# Altium PCB AD-FMComms3_revA.PcbDoc (part 2 of 6) (continued)
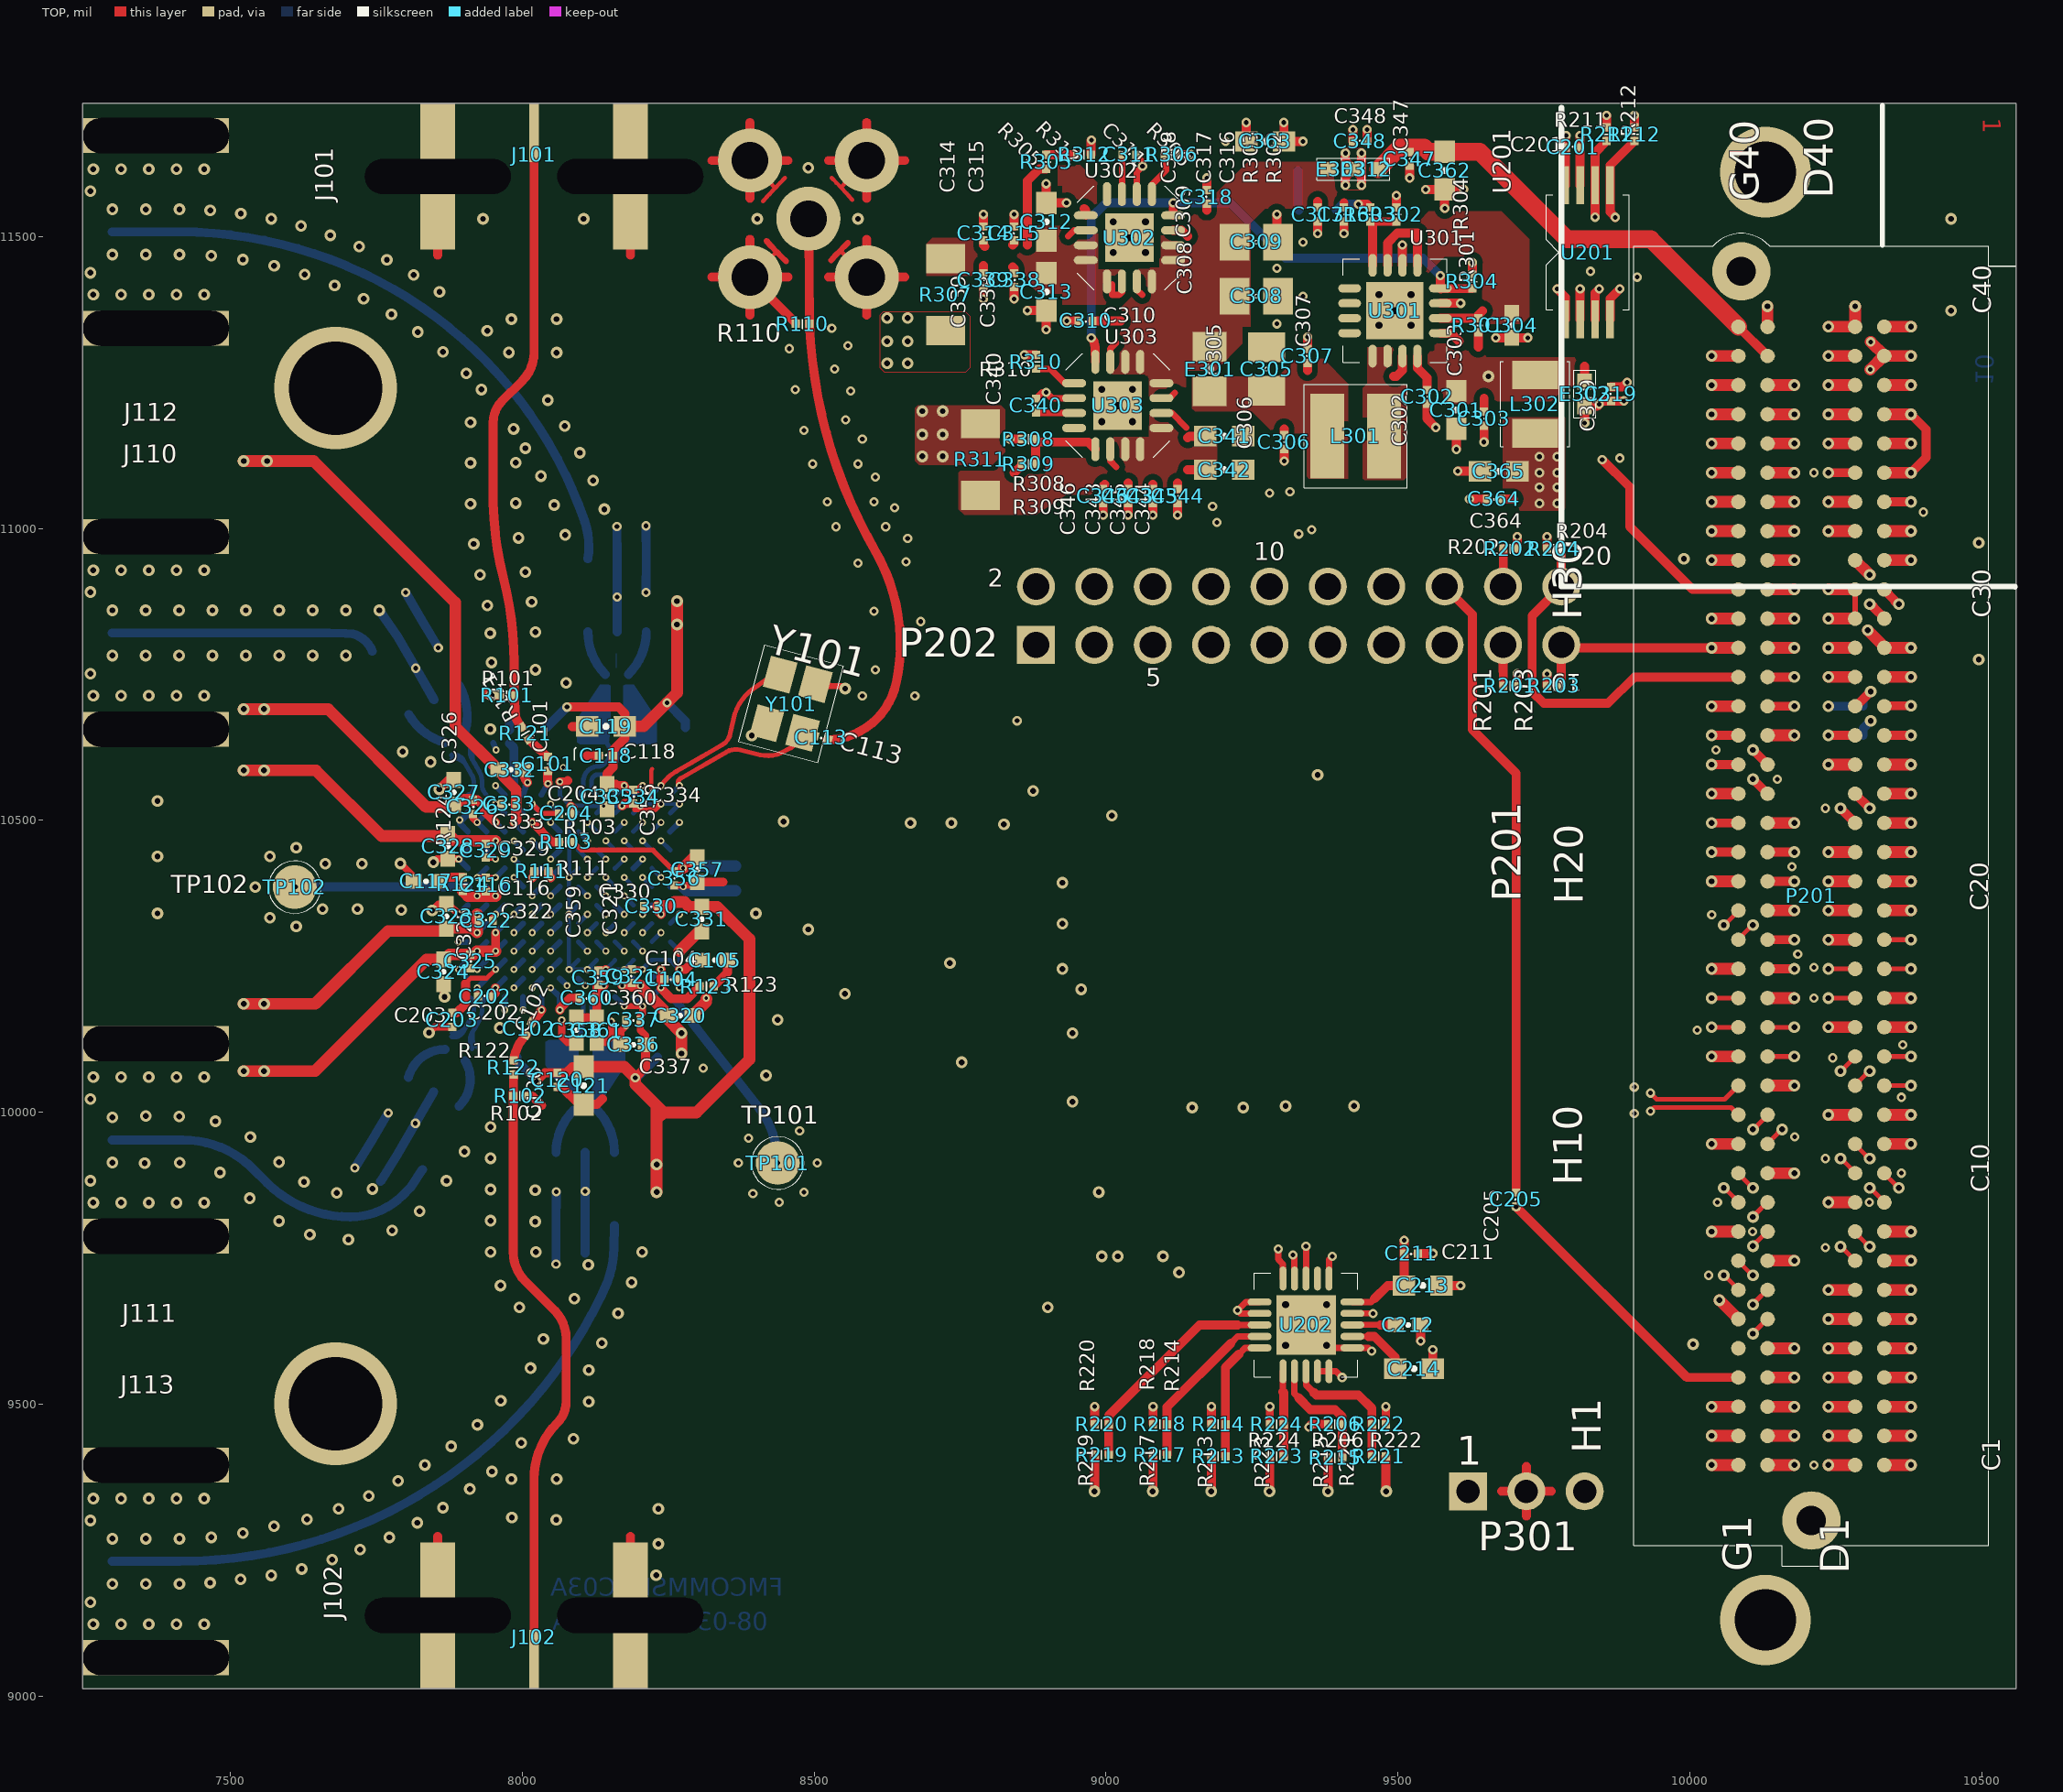
[diagram p0: TOP view]
## Nets (pads, with @x,y where several pads share a name; then routed paths per layer and width w, separated by ;. In a path a pad name is that pad's centre, name@x,y a point inside that pad or via, vN(x,y) a via of type N, cw(c..) or ccw(c..) an arc to the next point about the centre after c; other vN are vias at no path point) (continued)
  L2_GND w5: 7814.98,9273.02 J102.4@7855,9138 7895.02,9273.02 ; 7814.98,11467.98 J101.2@7855,11603 7895.02,11467.98 ; 8144.98,9273.02 J102.2@8185,9138 8225.02,9273.02 ; 8144.98,11467.98 J101.4@8185,11603 8225.02,11467.98 ; 8342.02,11382.52 J105.4@8390,11430.5 ; 8342.02,11478.48 J105.4@8390,11430.5 ; 8342.02,11582.52 J105.3@8390,11630.5 ; 8342.02,11678.48 J105.3@8390,11630.5 ; 8437.98,11382.52 J105.4@8390,11430.5 ; 8437.98,11678.48 J105.3@8390,11630.5 ; 8542.02,11382.52 8590,11430.5 ; 8542.02,11678.48 J105.2@8590,11630.5 ; 8637.98,11382.52 8590,11430.5 ; 8637.98,11478.48 8590,11430.5 ; 8637.98,11582.52 J105.2@8590,11630.5 ; 8637.98,11678.48 J105.2@8590,11630.5 ; 9687.93,9318.43 P301.2@9720,9350.5 ; 9687.93,9382.57 P301.2@9720,9350.5 ; 9752.07,9318.43 P301.2@9720,9350.5 ; 9752.07,9382.57 P301.2@9720,9350.5
  L4_GND w4.9: 7814.98,9273.02 J102.4@7855,9138 7895.02,9273.02 ; 7814.98,11467.98 J101.2@7855,11603 7895.02,11467.98 ; 8144.98,9273.02 J102.2@8185,9138 8225.02,9273.02 ; 8144.98,11467.98 J101.4@8185,11603 8225.02,11467.98 ; 8342.02,11382.52 J105.4@8390,11430.5 ; 8342.02,11478.48 J105.4@8390,11430.5 ; 8342.02,11582.52 J105.3@8390,11630.5 ; 8342.02,11678.48 J105.3@8390,11630.5 ; 8437.98,11382.52 J105.4@8390,11430.5 ; 8437.98,11678.48 J105.3@8390,11630.5 ; 8542.02,11382.52 8590,11430.5 ; 8542.02,11678.48 J105.2@8590,11630.5 ; 8637.98,11382.52 8590,11430.5 ; 8637.98,11478.48 8590,11430.5 ; 8637.98,11582.52 J105.2@8590,11630.5 ; 8637.98,11678.48 J105.2@8590,11630.5 ; 9687.93,9318.43 P301.2@9720,9350.5 ; 9687.93,9382.57 P301.2@9720,9350.5 ; 9752.07,9318.43 P301.2@9720,9350.5 ; 9752.07,9382.57 P301.2@9720,9350.5
  L5_SIG w4.9: 7814.98,9138 J102.4@7855,9138 ; 7814.98,11603 J101.2@7855,11603 ; 7855,9273.02 J102.4@7855,9138 ; 7855,11467.98 J101.2@7855,11603 ; 7895.02,9138 J102.4@7855,9138 ; 7895.02,11603 J101.2@7855,11603 ; 8144.98,9138 J102.2@8185,9138 ; 8144.98,11603 J101.4@8185,11603 ; 8185,9273.02 J102.2@8185,9138 ; 8185,11467.98 J101.4@8185,11603 ; 8225.02,9138 J102.2@8185,9138 ; 8225.02,11603 J101.4@8185,11603 ; 8324.98,11430.5 J105.4@8390,11430.5 ; 8324.98,11630.5 J105.3@8390,11630.5 ; 8390,11365.48 J105.4@8390,11430.5 ; 8390,11495.52 J105.4@8390,11430.5 ; 8390,11565.48 J105.3@8390,11630.5 ; 8390,11695.52 J105.3@8390,11630.5 ; 8455.02,11430.5 J105.4@8390,11430.5 ; 8455.02,11630.5 J105.3@8390,11630.5 ; 8524.98,11430.5 8590,11430.5 ; 8524.98,11630.5 J105.2@8590,11630.5 ; 8590,11365.48 8590,11430.5 ; 8590,11495.52 8590,11430.5 ; 8590,11565.48 J105.2@8590,11630.5 ; 8590,11695.52 J105.2@8590,11630.5 ; 8655.02,11430.5 8590,11430.5 ; 8655.02,11630.5 J105.2@8590,11630.5 ; 9677.48,9350.5 P301.2@9720,9350.5 ; 9720,9307.98 P301.2@9720,9350.5 ; 9720,9393.02 P301.2@9720,9350.5 ; 9762.52,9350.5 P301.2@9720,9350.5
  L6_SIG w4.9: 7814.98,9138 J102.4@7855,9138 ; 7814.98,11603 J101.2@7855,11603 ; 7855,9273.02 J102.4@7855,9138 ; 7855,11467.98 J101.2@7855,11603 ; 7895.02,9138 J102.4@7855,9138 ; 7895.02,11603 J101.2@7855,11603 ; 8144.98,9138 J102.2@8185,9138 ; 8144.98,11603 J101.4@8185,11603 ; 8185,9273.02 J102.2@8185,9138 ; 8185,11467.98 J101.4@8185,11603 ; 8225.02,9138 J102.2@8185,9138 ; 8225.02,11603 J101.4@8185,11603 ; 8324.98,11430.5 J105.4@8390,11430.5 ; 8324.98,11630.5 J105.3@8390,11630.5 ; 8390,11365.48 J105.4@8390,11430.5 ; 8390,11495.52 J105.4@8390,11430.5 ; 8390,11565.48 J105.3@8390,11630.5 ; 8390,11695.52 J105.3@8390,11630.5 ; 8455.02,11430.5 J105.4@8390,11430.5 ; 8455.02,11630.5 J105.3@8390,11630.5 ; 8524.98,11430.5 8590,11430.5 ; 8524.98,11630.5 J105.2@8590,11630.5 ; 8590,11365.48 8590,11430.5 ; 8590,11495.52 8590,11430.5 ; 8590,11565.48 J105.2@8590,11630.5 ; 8590,11695.52 J105.2@8590,11630.5 ; 8655.02,11430.5 8590,11430.5 ; 8655.02,11630.5 J105.2@8590,11630.5 ; 9677.48,9350.5 P301.2@9720,9350.5 ; 9720,9307.98 P301.2@9720,9350.5 ; 9720,9393.02 P301.2@9720,9350.5 ; 9762.52,9350.5 P301.2@9720,9350.5
  L7_GND w4: 7814.98,9273.02 J102.4@7855,9138 7895.02,9273.02 ; 7814.98,11467.98 J101.2@7855,11603 7895.02,11467.98 ; 8144.98,9273.02 J102.2@8185,9138 8225.02,9273.02 ; 8144.98,11467.98 J101.4@8185,11603 8225.02,11467.98 ; 8342.02,11382.52 J105.4@8390,11430.5 ; 8342.02,11478.48 J105.4@8390,11430.5 ; 8342.02,11582.52 J105.3@8390,11630.5 ; 8342.02,11678.48 J105.3@8390,11630.5 ; 8437.98,11382.52 J105.4@8390,11430.5 ; 8437.98,11678.48 J105.3@8390,11630.5 ; 8542.02,11382.52 8590,11430.5 ; 8542.02,11678.48 J105.2@8590,11630.5 ; 8637.98,11382.52 8590,11430.5 ; 8637.98,11478.48 8590,11430.5 ; 8637.98,11582.52 J105.2@8590,11630.5 ; 8637.98,11678.48 J105.2@8590,11630.5 ; 9687.93,9318.43 P301.2@9720,9350.5 ; 9687.93,9382.57 P301.2@9720,9350.5 ; 9752.07,9318.43 P301.2@9720,9350.5 ; 9752.07,9382.57 P301.2@9720,9350.5
  L8_PWR w4: 9687.93,9318.43 P301.2@9720,9350.5 9687.93,9382.57
  L9_GND w5: 7814.98,9273.02 J102.4@7855,9138 7895.02,9273.02 ; 7814.98,11467.98 J101.2@7855,11603 7895.02,11467.98 ; 8144.98,9273.02 J102.2@8185,9138 8225.02,9273.02 ; 8144.98,11467.98 J101.4@8185,11603 8225.02,11467.98 ; 8342.02,11382.52 J105.4@8390,11430.5 ; 8342.02,11478.48 J105.4@8390,11430.5 ; 8342.02,11582.52 J105.3@8390,11630.5 ; 8342.02,11678.48 J105.3@8390,11630.5 ; 8437.98,11382.52 J105.4@8390,11430.5 ; 8437.98,11678.48 J105.3@8390,11630.5 ; 8542.02,11382.52 8590,11430.5 ; 8542.02,11678.48 J105.2@8590,11630.5 ; 8637.98,11382.52 8590,11430.5 ; 8637.98,11478.48 8590,11430.5 ; 8637.98,11582.52 J105.2@8590,11630.5 ; 8637.98,11678.48 J105.2@8590,11630.5 ; 9687.93,9318.43 P301.2@9720,9350.5 ; 9687.93,9382.57 P301.2@9720,9350.5 ; 9752.07,9318.43 P301.2@9720,9350.5 ; 9752.07,9382.57 P301.2@9720,9350.5
  BOTTOM w7: SSSS.M6@8064.25,10543.73 8064.25,10542.25 v3@8081.5,10525 ; v3(8268.98,10213.02) v3(8268.98,10244.52) ; v3(8268.98,10276.01) v3(8268.98,10244.52) ; v3(8268.98,10527.98) v3(8237.48,10527.98) 8205.73,10527.98 v3(8202.25,10524.5) v3(8170.75,10524.5) v3(8139.25,10524.5) 8108.26,10524.5 8107.76,10525 v3@8081.5,10525 ; v3@8081.5,10525 8080.25,10523.75 8080.25,10401.25 8080.75,10400.75 8079.5,10399.5 8079.5,10392.93 8079.75,10392.68 8079.75,10251.75 8086.98,10244.52 8204.52,10244.52 8220.75,10260.75 8252.75,10260.75 v3(8268.98,10244.52)
  BOTTOM w8: SSSS.M6@8064.25,10543.73 ccw(c-17859.4,10549.61) 8064.25,10555.5 ccw(c-17859.39,10537.43) v3@8064.24,10566.5 ; v3(8080.01,10244.51) SSSS.C7@8095.75,10260.26 ; v3(8080,10339) SSSS.F7@8095.75,10354.75 ; v3(8080,10401.99) SSSS.H7@8095.75,10417.74 ; v3(8082.98,10524.24) 8094.99,10512.23 SSSS.L7@8095.75,10512.23 ; v3(8111.5,10244.51) SSSS.C8@8127.24,10260.26 ; SSSS.L8@8127.24,10512.23 8127.24,10512.49 v3(8139.25,10524.5) ; v3(8143,10244.51) SSSS.C9@8158.74,10260.26 ; v3(8174.5,10244.51) SSSS.C10@8190.24,10260.26 ; SSSS.L10@8190.24,10512.23 8190.24,10512.49 v3(8202.25,10524.5) ; v3(8205.99,10244.51) SSSS.C11@8221.73,10260.26
  BOTTOM w10: v3(7890,10291.76) SSSS.D1@7906.77,10291.76 ; v3(7891.02,10339) SSSS.E1@7906.77,10323.26 ; SSSS.B1@7906.77,10228.77 v3(7891.02,10244.52) SSSS.C1@7906.77,10260.26 ; SSSS.H1@7906.77,10417.75 v3(7891.02,10433.49) SSSS.J1@7906.77,10449.24 ; v3(7922.52,10244.52) SSSS.C2@7938.27,10260.26 ; v3(7922.52,10402) SSSS.H2@7938.27,10417.74 ; SSSS.J2@7938.27,10449.24 v3(7954.01,10433.49) ; SSSS.K2@7938.27,10480.74 v3(7922.54,10496.48) SSSS.L2@7938.27,10512.23 ; 7950,10633 v3(7955,10620.5) ; v3(7954.01,10401.99) SSSS.H3@7969.76,10417.74 ; v3(7954.02,10527.98) SSSS.L3@7969.76,10512.23 ; v3(7985.51,10244.52) SSSS.C4@8001.26,10260.26 ; v3(8001.26,10175) SSSS.A4@8001.26,10197.27 ; SSSS.M4@8001.26,10543.73 8005.05,10554.14 8005.05,10558.45 8007.52,10560.92 v3(8008.88,10564.66) ; v3(8048.5,10213.02) SSSS.A6@8064.25,10197.27 v3(8064.25,10175) ; v3(8048.5,10401.99) SSSS.H6@8064.25,10417.74 ; v3@8170.75,10524.24 v3(8170.75,10524.5) ; SSSS.H10@8190.24,10417.75 v3(8205.98,10433.49) ; v3(8205.99,10339.01) SSSS.F11@8221.73,10354.75 ; SSSS.G12@8253.23,10386.25 v3(8275.5,10386.25)
  BOTTOM w12: v3(7892.5,10500.5) 7895.04,10500.5 SSSS.L1@7906.77,10512.23 ; 8320,10379.25 8325,10384.25 C355.2@8325,10388.5
  BOTTOM w15.5: v2(7713,9904.5) T106.1@7742.24,9951.77 v2(7770,9998.5) ; v1(7755,10859.78) T105.2@7786.25,10814.63 v2(7817.5,10760.5) T105.5@7848.75,10706.37 ; 7757,9881.5 T106.2@7785.54,9926.77 v2(7816.79,9980.9) T106.5@7848.04,10035.03 ; v2(7800,10890.5) T105.1@7829.55,10839.63 v2(7856,10795.5) ; 7814.98,9138 J102.4@7855,9138 ; 7814.98,11603 J101.2@7855,11603 ; 7855,9273.02 J102.4@7855,9138 ; 7855,11467.98 J101.2@7855,11603 ; 7895.02,9138 J102.4@7855,9138 ; 7895.02,11603 J101.2@7855,11603 ; 7977.9,10667.3 7978.25,10666.95 R125.2@7978.25,10655.25 ; v2(8057.77,9739.73) T108.1@8057.77,9806.02 v2(8058,9863.5) ; 8107.77,9758.73 T108.2@8107.77,9806.02 v2(8107.77,9864.5) T108.5@8107.77,9931.02 ; 8144.98,9138 J102.2@8185,9138 ; 8144.98,11603 J101.4@8185,11603 ; v2(8162,11003.5) T107.2@8162.22,10947.98 v2(8162.22,10882.5) T107.5@8162.22,10822.98 ; 8185,9273.02 J102.2@8185,9138 ; 8185,11467.98 J101.4@8185,11603 ; v2(8212,10890.5) T107.1@8212.22,10947.98 v2(8212,11004.5) ; 8225.02,9138 J102.2@8185,9138 ; 8225.02,11603 J101.4@8185,11603 ; 8324.98,11430.5 J105.4@8390,11430.5 ; 8324.98,11630.5 J105.3@8390,11630.5 ; 8390,11365.48 J105.4@8390,11430.5 ; 8390,11495.52 J105.4@8390,11430.5 ; 8390,11565.48 J105.3@8390,11630.5 ; 8390,11695.52 J105.3@8390,11630.5 ; 8455.02,11430.5 J105.4@8390,11430.5 ; 8455.02,11630.5 J105.3@8390,11630.5 ; 8524.98,11430.5 8590,11430.5 ; 8524.98,11630.5 J105.2@8590,11630.5 ; 8590,11365.48 8590,11430.5 ; 8590,11495.52 8590,11430.5 ; 8590,11565.48 J105.2@8590,11630.5 ; 8590,11695.52 J105.2@8590,11630.5 ; 8655.02,11430.5 8590,11430.5 ; 8655.02,11630.5 J105.2@8590,11630.5 ; 9677.48,9350.5 P301.2@9720,9350.5 ; 9720,9307.98 P301.2@9720,9350.5 ; 9720,9393.02 P301.2@9720,9350.5 ; 9762.52,9350.5 P301.2@9720,9350.5 ; v1@10304.13,10824.63 v1(10305,10825.5)
  BOTTOM w20: v3(8275.5,10386.25) 8282.5,10379.25 8320,10379.25 C354.2@8365,10379.25
  other v1: 7265,9123 7312.5,9123 7360,9123 7407.5,9123 7455,9123 7260,9160.5 7297.5,9191.75 7355,9191.75 7412.5,9191.75 7465.09,9193.72 7517.39,9199.61 7570,9206.5 8229.25,9206.75 7622,9217.5 7674,9233.5 7722,9250.5 8233,9260.5 7297.5,9269.25 7355,9269.25 7412.5,9269.25 7467.08,9271.63 7772,9271.5 7521.25,9278.76 7574.59,9290.59 7820,9296.5 7260,9300.5 7631,9302.5 8058,9301.5 7982,9305.5 7685,9320.5 8233,9320.5 7864,9322.5 7265,9338 7312.5,9338 7360,9338 7407.5,9338 7455,9338 7737,9342.5 7910,9354.5 7787,9368.5 7981.25,9371.44 8058.75,9371.44 7948,9384.5 7833,9395.5 7878,9427.5 7998,9433.5 8087.4,9440.6 7923,9464.5 8113.75,9504.21 7963,9505.5 8113.75,9558.22 8014,9561.5 10005.68,9602.48 8136,9604.5 8036,9611.5 8164,9655.5 7995,9665.5 8900,9665.5 8089,9680.5 7962.5,9703 8187,9708.5 9125,9725.5 8113,9738.5 8992.5,9753 9020,9753 9097.5,9753 8205,9760.5 7945.5,9760.59 8023,9760.6 7702,9781.5 7636,9790.5 7777,9797.5 8022,9812.5 7583,9813.5 7945.5,9814.07 7824,9830.5 7265,9844.97 7312.5,9844.97 7360,9844.97 7407.5,9844.97 7455,9844.97 7533,9852.5 7682,9861.5 8987.5,9863 8022,9866.5 7743,9868.5 7945.5,9867.55 7626,9880.5 7260,9882.47 7870,9882.5 7482,9896.5 7353,9912.5 7297.5,9913.72 7413,9913.5 7583,9914.5 7945.5,9921.04 7901,9932.5 7534,9957.5 7945.5,9974.52 7474,9984.5 7297.5,9991.22 7412,9992.5 7355,9993.5 9147.5,10008 9235,10008 9307.5,10010.5 9425,10010.5 8942.5,10018 7260,10022.47 7265,10059.97 7312.5,10059.97 7360,10059.97 7407.5,10059.97 7455,10059.97 8417.5,10063 8752.5,10085.5 8942.5,10135.5 7961.29,10144.26 8437.5,10158 8552.5,10203 8957.5,10210.5 8925,10245.5 8732.5,10255.5 8490,10313 7612.5,10318 8925,10323 7567.5,10333 8400,10340.5 7792.42,10346.49 7657.5,10348 7717.5,10348 7542.5,10385.5 8925,10393 7662.5,10425.5 7725,10425.5 7567.5,10438 7612.5,10453 8825,10493 8735,10495.5 8447.5,10498 9010,10508 8875,10550.5 9362.5,10578 7842.61,10599.98 7795,10617.6 7945.16,10656.27 7265,10713.53 7312.5,10713.53 7360,10713.53 7407.5,10713.53 7455,10713.53 8075,10735.5 7260,10751.03 8022.5,10758 7947,10770.5 10495,10775.5 7297.5,10782.28 7354.69,10782.28 7411.88,10782.28 7469.06,10782.28 7526.25,10782.28 7583.44,10782.28 7640.62,10782.28 7697.81,10782.28 7945,10820.5 8022.33,10822.52 7297.5,10859.78 7354.69,10859.78 7411.88,10859.78 7469.06,10859.78 7526.25,10859.78 7583.44,10859.78 7640.62,10859.78 7697.81,10859.78 7940,10868 8015.83,10874.17 7260,10891.03 7927.5,10920.5 8005.05,10925.1 7265,10928.53 7312.5,10928.53 7360,10928.53 7407.5,10928.53 7455,10928.53 9990,10948 7916.72,10973.48 10495,10975.5 7993.54,10983.81 8073.48,10989.02 8140.4,11032.94 8054.6,11040.21 7911.26,11042.13 7988.75,11043.44 8121.05,11082.01 8031.75,11089.77 7911.25,11112.4 7988.75,11112.61 8098.39,11129.65 8005.08,11137.39 7985,11170.5 8072.54,11175.63 7911.25,11181.79 8043.61,11219.74 7930,11238 7903.94,11265.69 8058.75,11301.27 7977.07,11301.52 7863.87,11302.73 7821.01,11336.52 7939.77,11338.82 7981.25,11358.58 8058.75,11358.58 7775.64,11366.83 10447.5,11373 7728.02,11393.5 7265,11400.5 7312.5,11400.5 7360,11400.5 7407.5,11400.5 7455,11400.5 7857.99,11405.36 7678.46,11416.35 7813.88,11434.29 7627.27,11435.23 7260,11438 7574.74,11450.05 7767.9,11460.14 7521.22,11460.69 7467.03,11467.11 7297.5,11469.25 7355,11469.25 7412.5,11469.25 7720.26,11482.8 7671.19,11502.15 7620.92,11518.1 7932.5,11530.5 8105,11530.5 8402.5,11530.5 8575,11530.5 10447.5,11530.5 7569.67,11530.59 7517.69,11539.55 7465.22,11544.95 7297.5,11546.75 7355,11546.75 7412.5,11546.75 7260,11578 7265,11615.5 7312.5,11615.5 7360,11615.5 7407.5,11615.5 7455,11615.5 8490,11618
  other v2: 10212.5,9395.5 10032.5,9720.5 10232.5,9768 10107.5,9795.5 8440,9845.5 10047.5,9845.5 10307.5,9845.5 8395,9860.5 8482.5,9863 10362.5,9895.5 8370,9913 8505,9913 10232.5,9920.5 8387.5,9955.49 10180,9958 8475,9967.99 9905,9998 10362.5,10025.5 9905,10043 8310,10075.5 10245,10093 10365,10115.5 10012.5,10140.5 10212.5,10195.5 10212.5,10248 10185,10270.5 10037.5,10338 10175,10420.5 10232.5,10520.5 10150,10570.5 10045,10620.5 8847.5,10670.5 8582.5,10713 8672.5,10713 8605,10758 8682.5,10840.5 8602.5,10858 8575,10940.5 8657.5,10943 8660,10983 9330,10990.5 8537.5,11003 8622.5,11003 9190,11010.5 10400,11028 8637.5,11035.5 8522.5,11045.5 8602.5,11045.5 9280,11060.5 8605,11088 10212.5,11095.5 8497.5,11110.5 8575,11110.5 9880,11120.5 8582.5,11153 8482.5,11168 8553.75,11186.15 8562.5,11235.5 8467.5,11238 8535,11273 8457.5,11308 8557.5,11313 8530,11343 9292.5,11350.5 9337.5,11398 9910,11430.5 9830,11440.5 9292.5,11445.5 9337.5,11490.5 9205,11663
  other v3: 8174.49,10339 8268.98,10496.48 8070,10590.5
  other v4: 9307.5,9600.5 9307.5,9670.5 9377.5,9670.5 8992.5,11183 9045,11183 9020,11210.5 8992.5,11238 9045,11238 9467.5,11348 9522.5,11348 9495,11373 9467.5,11400.5 9522.5,11400.5 9012.5,11473 9067.5,11473 9040,11498 9012.5,11525.5 9067.5,11525.5
GPO0: P202.12 SSSS.B7 | length 4206.2
  L5_SIG w4.9: v3(8108.02,10216.76) 8108.02,10081.02 8027.5,10000.5 7930,10000.5 7915,9985.5 7837.5,9985.5 7617.5,10205.5 7402.5,10205.5 7302.5,10305.5 7302.5,10568 7335,10600.5 7502.5,10600.5 7540,10638 7540,10710.5 7545,10715.5 7545,10898 7890,11243 7907.5,11243 7932.5,11268 8499.75,11268 8512.25,11255.5 8855.25,11255.5 8887.75,11288 9192.5,11288 9380,11100.5 P202.12@9380,10900.5
  BOTTOM w10: SSSS.B7@8095.75,10228.77 v3(8108.02,10216.76)
GPO1: P202.13 SSSS.B6 | length 4209.1
  L5_SIG w4.9: v3(8076.52,10216.76) 8082.5,10210.78 8082.5,10150.5 8045,10113 8020,10113 7967.5,10060.5 7830,10060.5 7805,10085.5 7787.5,10085.5 7637.5,10235.5 7410,10235.5 7325,10320.5 7325,10560.5 7345,10580.5 7440,10580.5 7472.5,10548 7555,10548 7582.5,10575.5 7582.5,10753 7565,10770.5 7565,10868 7917.5,11220.5 7942.5,11220.5 7962.5,11240.5 8422.5,11240.5 8442.5,11220.5 8515,11220.5 8522.5,11213 8582.5,11213 8600,11230.5 8870,11230.5 8905,11265.5 9177.5,11265.5 9352.5,11090.5 v2(9352.5,10998)
  L6_SIG w4.9: v2(9352.5,10998) 9420,10930.5 9420,10860.5 P202.13@9480,10800.5
  BOTTOM w10: SSSS.B6@8064.25,10228.77 8076.26,10216.76 v3(8076.52,10216.76)
GPO2: P202.14 SSSS.B5 | length 3368.9
  L5_SIG w4.9: v3(8017.01,10213.02) 8017.01,10170.01 7972.5,10125.5 7877.5,10125.5 7842.5,10160.5 7822.5,10160.5 7691.25,10291.75 7568.75,10291.75 7522.5,10338 7522.5,10430.5 7615,10523 7615,10860.5 7900,11145.5 7910,11145.5 7962.5,11198 8477.5,11198 8505,11170.5 8615,11170.5 8625,11180.5 8847.5,11180.5 8880,11148 9230,11148 v2(9315,11063)
  L6_SIG w4.9: v2(9315,11063) 9365,11063 9480,10948 P202.14@9480,10900.5
GPO3: P202.15 SSSS.B4 | length 3011.9
  L5_SIG w4.9: v3(7985.51,10213.02) 7967.99,10195.5 7900,10195.5 7880,10215.5 7837.5,10215.5 7742.5,10310.5 7742.5,10473 7707.5,10508 7707.5,10748 7717.5,10758 7717.5,10848 7872.5,11003 7912.5,11003 8017.5,11108 8395,11108 8432.5,11070.5 8675,11070.5 8700,11095.5 9125,11095.5 v2(9182.5,11038)
  L6_SIG w4.9: v2(9182.5,11038) 9350,11038 9440,10948 9440,10880.5 9467.5,10853 9527.5,10853 P202.15@9580,10800.5
PG_1P3_A: R306.1 U302.5 | length 78.9
  TOP w11: U302.5@9078.39,11572.8 9078.39,11588.89 9103,11613.5 9103,11638 R306.1@9100.5,11640.5
PG_1P3_B: R310.1 U303.5 | length 75.4
  TOP w11: R310.1@8880,11273.5 8904.5,11273.5 8929.11,11248.89 U303.5@8945.2,11248.89
PG_1P8V: R304.1 U301.16 U302.4 U303.4 | length 1008.1
  TOP w15.5: v2(8974.64,11326.26) cw(c8959.16,11310.78) 8981.05,11310.78 8981.05,11298 8981.61,11297.44 U303.4@8981.61,11285.3 ; U302.4@9114.8,11536.39 9114.8,11537.69 9115,11537.89 v2(9115,11558) ; v2(9572.72,11433) U301.16@9572.72,11411.39 9573.61,11410.5 R304.1@9627.5,11411
  BOTTOM w15.5: v2(8974.64,11326.26) 8974.64,11532.64 9000,11558 v2(9115,11558) 9212.5,11558 9307.5,11463 9542.72,11463 v2(9572.72,11433)
PG_FMC: P201.D1 U301.15 | length 2768.7
  TOP w15.5: U301.15@9572.72,11385.8 v2(9607.5,11385.8)
  TOP w20: v1(10237.45,9395.5) P201.D1@10283.27,9395.5
  L5_SIG w4.9: v2(9607.5,11385.8) 9787.2,11385.8 10000,11173 10062.5,11173 10165,11070.5 10250,11070.5 10270,11050.5 10270,10878 10302.5,10845.5 10402.5,10845.5 10445,10803 10445,9578 10387.5,9520.5 10362.5,9520.5 v1@10237.5,9395.5
REF_CLK: C113.1 J105.1 R110.2 | length 990.5
  TOP w8: C113.1@8522.34,10637.64 8523.48,10638.78 C113.1@8523.8,10638.78
  TOP w15.5: 8490,11530.5 cw(c391,11350.5) R110.2@8492,11350.5 ccw(c9339.56,11384.71) 8605,10960.5 cw(c8330.14,10801.77) 8640.52,10735.39 cw(c8519.61,10761.25) C113.1@8522.34,10637.64
RESETB: P201.H31 R103.2 SSSS.K5 | length 2810
  TOP w15.5: v3(8017.01,10496.48) 8050.49,10463 R103.2@8063,10463 ; v2(9850,11118) 9897.5,11070.5 9897.5,11003 10005,10895.5 P201.H31@10083.27,10895.5
  L6_SIG w4.9: v3(8017.01,10496.48) 7992.5,10520.99 7992.5,10580 8117.55,10705.05 8117.55,10793.05 8188.5,10864 8188.5,10897 8494.5,11203 8597.5,11203 8615,11220.5 8797.5,11220.5 8837.5,11260.5 9540,11260.5 9632.5,11168 9800,11168 v2(9850,11118)
  BOTTOM w10: v3(8017.01,10496.48) SSSS.K5@8032.76,10480.74
RX1A: J110.1 T105.3 | length 458.6
  BOTTOM w15.5: J110.1@7297.5,10821.03 7669.4,10821.03 7697.04,10820.25 7709.38,10819.47 cw(c7697.1,10771.85) T105.3@7742.95,10789.63
RX1A_N: C106.2 SSSS.M2 | length 96
  BOTTOM w8: C106.2@7914.07,10632.42 7913.53,10631.53 ccw(c7938.49,10618.56) 7914.13,10604.49 7917.86,10598.03 7921.87,10591.1 7925.87,10584.17 cw(c7894.28,10565.91) 7930.75,10567 7930.75,10560.75 ccw(c7956.49,10561.95) SSSS.M2@7938.27,10543.73
RX1A_P: C107.2 SSSS.M1 | length 93.7
  BOTTOM w8: C107.2@7879.43,10612.42 7878.89,10611.53 cw(c7883.71,10595.31) 7898.36,10603.78 7909.74,10584.09 7913.74,10577.16 cw(c7894.28,10565.91) 7916.75,10566.76 7916.75,10554.5 cw(c7905.95,10554.5) SSSS.M1@7906.77,10543.73
RX2A: J111.1 T106.3 | length 601.9
  BOTTOM w15.5: J111.1@7297.5,9952.47 7418.36,9952.47 cw(c7418.36,9781.86) 7539,9902.5 7561.6,9879.89 ccw(c7704.99,10023.29) 7705,9820.5 ccw(c7705,9948.09) 7795.22,9857.87 7807.28,9869.93 7809.08,9871.74 T106.3@7828.84,9901.77
RX2A_N: C108.2 SSSS.A1 | length 93.7
  BOTTOM w8: C108.2@7879.43,10128.58 7878.89,10129.47 ccw(c7883.71,10145.69) 7898.36,10137.22 7909.74,10156.91 7913.74,10163.84 ccw(c7894.28,10175.09) 7916.75,10174.24 7916.75,10186.5 ccw(c7905.95,10186.5) SSSS.A1@7906.77,10197.27
RX2A_P: C109.2 SSSS.A2 | length 96
  BOTTOM w8: C109.2@7914.07,10108.58 7913.53,10109.47 cw(c7938.49,10122.44) 7914.13,10136.51 7917.86,10142.97 7921.87,10149.9 7925.87,10156.83 ccw(c7894.28,10175.09) 7930.75,10174 7930.75,10180.25 cw(c7956.49,10179.05) SSSS.A2@7938.27,10197.27
RX_D0_N: P201.H8 SSSS.K11 TP202.1 | length 2989.2
  TOP w8: P201.H8@10083.27,9745.5 10083.27,9744.68 10101.81,9726.14 10101.81,9724.5 v1(10108.27,9720.5)
  L5_SIG w3.8: v3(8237.47,10496.48) 8258.96,10474.99 8322.01,10474.99 8377.22,10419.78 8663.22,10419.78 8685,10398 8685,10233 8670,10218 8670,10128 8687.5,10110.5 8725,10110.5 8737.5,10123 8737.5,10225.5 8755,10243 8802.5,10243 8942.5,10103 8961.65,10103 9179.15,9885.5 9660,9885.5 9870,10095.5 9913.43,10095.5 9967.3,10041.63 9967.3,9995.3 9915,9943 9915,9812.15 9959.38,9767.77 10072.73,9767.77 10100,9740.5 10100,9728.77 v1(10108.27,9720.5)
  BOTTOM w8: SSSS.K11@8221.73,10480.74 v3(8237.47,10496.48)
RX_D0_P: P201.H7 SSSS.J12 TP201.1 | length 2988
  TOP w8: v1(10058.27,9720.5) 10064.73,9716.5 10064.73,9714.86 10083.27,9696.32 P201.H7@10083.27,9695.5
  L5_SIG w3.8: v3(8237.48,10464.99) 8317.86,10464.99 8373.07,10409.78 8659.07,10409.78 8675,10393.85 8675,10237.15 8660,10222.15 8660,10123.85 8683.35,10100.5 8729.15,10100.5 8747.5,10118.85 8747.5,10221.35 8759.15,10233 8798.35,10233 8938.35,10093 8957.5,10093 9175,9875.5 9664.15,9875.5 9874.15,10085.5 9909.28,10085.5 9957.3,10037.48 9957.3,9999.45 9905,9947.15 9905,9808 9955.23,9757.77 10068.58,9757.77 10090,9736.35 10090,9727.28 10083.22,9720.5 v1(10058.27,9720.5)
  BOTTOM w8: v3(8237.48,10464.99) SSSS.J12@8253.23,10449.24
RX_D1_N: P201.G10 SSSS.K10 TP215.1 | length 2958.6
  TOP w8: v1(10108.27,9820.5) 10112.27,9826.96 10113.91,9826.96 10132.45,9845.5 P201.G10@10133.27,9845.5
  L5_SIG w3.8: v3(8205.98,10496.48) 8210.75,10501.25 8210.75,10502.32 8215.75,10507.32 8215.75,10525.75 8230.98,10540.98 8274.37,10540.98 8281.4,10533.95 8321.58,10533.95 8382.53,10473 8817.5,10473 8830,10460.5 8830,10426.34 8814.16,10410.5 8746.65,10410.5 8740,10403.85 8740,10364.65 8746.65,10358 8804.15,10358 8817.5,10344.65 8817.5,10303 9187.5,9933 9612.5,9933 9830,10150.5 9922.9,10150.5 10050,10023.4 10050,9998 9950,9898 9950,9839.65 9964.15,9825.5 10054.28,9825.5 10077.5,9802.28 10090.05,9802.28 v1(10108.27,9820.5)
RX_D1_P: P201.G9 SSSS.J11 TP214.1 | length 2984.7
  TOP w8: v1(10108.27,9770.5) 10112.27,9776.96 10113.91,9776.96 10132.45,9795.5 P201.G9@10133.27,9795.5
  L5_SIG w3.8: v3(8205.99,10464.98) 8220.75,10479.74 8220.75,10498.14 8233.36,10510.75 8270.14,10510.75 8283.14,10523.75 8317.63,10523.75 8378.38,10463 8813.35,10463 8820,10456.35 8820,10430.5 8810,10420.5 8742.5,10420.5 8730,10408 8730,10360.5 8742.5,10348 8800,10348 8807.5,10340.5 8807.5,10298.85 9183.35,9923 9616.65,9923 9834.15,10140.5 9918.75,10140.5 10040,10019.25 10040,10002.15 9940,9902.15 9940,9835.5 9960,9815.5 10050.13,9815.5 10070.42,9795.21 10070.42,9794.93 10073.27,9792.08 10086.69,9792.08 v1(10108.27,9770.5)
  BOTTOM w8: v3(8205.99,10464.98) SSSS.J11@8221.73,10449.24
RX_D2_N: P201.H11 SSSS.K9 TP204.1 | length 2939
  TOP w8: P201.H11@10083.27,9895.5 10083.27,9894.68 10101.81,9876.14 10101.81,9874.5 v1(10108.27,9870.5)
  L5_SIG w3.8: v3(8174.49,10496.48) 8174.49,10502.36 8167.82,10509.03 8157.75,10519.11 8157.75,10529.89 8165.36,10537.5 8177,10537.5 8193.09,10553.59 8193.09,10564.83 8200.64,10572.38 8211.88,10572.38 8222.18,10582.68 8321.82,10582.68 8372.42,10532.08 8848.42,10532.08 8965,10415.5 9020,10415.5 9037.5,10398 9037.5,10346.35 9021.65,10330.5 9009.15,10330.5 9005,10326.35 9005,10299.65 9011.65,10293 9031.65,10293 9052.5,10272.15 9052.5,10193 9175,10070.5 9260,10070.5 9277.5,10053 9277.5,9992.15 9296.65,9973 9568.35,9973 9835.85,10240.5 9879.15,10240.5 9994.87,10124.78 10054.87,10124.78 10074.15,10105.5 10110,10105.5 10130,10085.5 10130,10026.35 10087.5,9983.85 10087.5,9957.15 10103.27,9941.38 10103.27,9875.5 v1(10108.27,9870.5)
RX_D2_P: P201.H10 SSSS.J10 TP203.1 | length 2959.4
  TOP w8: v1(10058.27,9870.5) 10064.73,9866.5 10064.73,9864.86 10083.27,9846.32 P201.H10@10083.27,9845.5
  L5_SIG w3.8: v3(8174.5,10464.98) 8187.39,10477.87 8187.39,10503.61 8183.75,10507.25 8183.75,10530.1 8200.23,10546.58 8211.34,10546.58 8218.89,10554.13 8218.89,10565.24 8226.33,10572.68 8317.67,10572.68 8368.27,10522.08 8844.27,10522.08 8960.85,10405.5 9015.85,10405.5 9027.5,10393.85 9027.5,10350.5 9017.5,10340.5 9005,10340.5 8995,10330.5 8995,10295.5 9007.5,10283 9027.5,10283 9042.5,10268 9042.5,10188.85 9170.85,10060.5 9255.85,10060.5 9267.5,10048.85 9267.5,9988 9292.5,9963 9572.5,9963 9840,10230.5 9875,10230.5 9990.72,10114.78 10050.72,10114.78 10070,10095.5 10105.85,10095.5 10120,10081.35 10120,10030.5 10077.5,9988 10077.5,9953 10093.27,9937.23 10093.27,9903.77 10060,9870.5 v1(10058.27,9870.5)
  BOTTOM w8: v3(8174.5,10464.98) SSSS.J10@8190.24,10449.24
RX_D3_N: P201.D12 SSSS.K8 TP223.1 | length 2964.6
  TOP w8: P201.D12@10283.27,9945.5 10283.27,9944.68 10301.81,9926.14 10301.81,9924.5 v1(10308.27,9920.5)
  L5_SIG w3.8: v3(8111.5,10496.49) 8121.03,10486.96 8126.41,10486.96 8129.1,10489.65 8129.1,10498.18 8115,10512.28 8115,10537.15 8185.85,10608 8351.78,10608 8381.78,10578 8895,10578 8935,10538 8935,10508 8972.5,10470.5 9042.5,10470.5 9095,10418 9095,10252.15 9216.65,10130.5 9638.35,10130.5 9790.85,10283 9916.65,10283 10024.87,10174.78 10193.22,10174.78 10215,10153 10215,10085.5 10235.83,10064.67 10259.58,10040.93 10283.32,10017.18 10308.27,9992.23 v1(10308.27,9920.5)
  BOTTOM w8: v3(8111.5,10496.49) SSSS.K8@8127.24,10480.74
RX_D3_P: P201.D11 SSSS.J9 TP222.1 | length 2966
  TOP w8: v1(10258.27,9920.5) 10264.73,9916.5 10264.73,9914.86 10283.27,9896.32 P201.D11@10283.27,9895.5
  L5_SIG w3.8: v3(8143,10464.99) 8133.49,10474.5 8133.49,10479.88 8139.1,10485.49 8139.1,10502.33 8125,10516.43 8125,10533 8190,10598 8347.63,10598 8377.63,10568 8890.85,10568 8925,10533.85 8925,10503.85 8968.35,10460.5 9038.35,10460.5 9085,10413.85 9085,10248 9212.5,10120.5 9642.5,10120.5 9795,10273 9912.5,10273 10020.72,10164.78 10189.07,10164.78 10205,10148.85 10205,10081.34 10240.63,10045.72 10252.5,10033.85 10276.24,10010.1 10298.27,9988.08 10298.27,9943.77 10275,9920.5 v1(10258.27,9920.5)
  BOTTOM w8: v3(8143,10464.99) SSSS.J9@8158.74,10449.24
RX_D4_N: P201.C11 SSSS.K7 TP231.1 | length 2984.1
  TOP w8: P201.C11@10333.27,9895.5 10333.27,9894.68 10351.81,9876.14 10351.81,9874.5 v1(10358.27,9870.5)
  L5_SIG w3.8: v3(8111.49,10465) 8110.17,10465 8077.59,10497.58 8077.59,10511.38 8070.08,10518.89 8070.08,10529.59 8080,10539.51 8080,10555.5 8155,10630.5 8379.15,10630.5 8389.15,10620.5 8957.5,10620.5 9142.5,10435.5 9142.5,10372.15 9186.65,10328 9974.28,10328 10015.99,10286.3 10029.87,10272.41 ; 10029.88,10272.4 10119.35,10272.4 10166.97,10224.78 10249.87,10224.78 10337.3,10137.35 10337.3,9878.2 10345,9870.5 v1(10358.27,9870.5)
  BOTTOM w8: SSSS.K7@8095.75,10480.74 v3(8111.49,10465)
RX_D4_P: P201.C10 SSSS.J8 TP230.1 | length 2983.9
  TOP w8: v1(10308.27,9870.5) 10314.73,9866.5 10314.73,9864.86 10333.27,9846.32 P201.C10@10333.27,9845.5
  L5_SIG w3.8: v3(8142.98,10433.5) 8124.49,10451.99 8124.49,10470.39 8121.78,10473.1 8121.64,10473.1 8116.84,10477.9 8111.42,10477.9 8087.59,10501.73 8087.59,10510.6 8095.88,10518.89 8095.88,10529.59 8090,10535.47 8090,10551.35 8159.15,10620.5 8375,10620.5 8385,10610.5 8953.35,10610.5 9132.5,10431.35 9132.5,10368 9182.5,10318 9970.13,10318 10008.91,10279.22 10025.72,10262.4 10115.2,10262.4 10162.82,10214.78 10245.72,10214.78 10327.3,10133.2 10327.3,9889.53 v1(10308.27,9870.5)
  BOTTOM w8: SSSS.J8@8127.24,10449.24 v3(8142.98,10433.5)

## Text inside footprints (layer, text, board x,y; h text height)
TP223: PIN_NUMBER "1" at 10297.5,9920.5 h25 r180; ASSEMBLY_BOTTOM "TP-108" at 10228.7,9961.8 h25 r90; ASSEMBLY_BOTTOM "UPN" at 10317.2,9867.8 h25 r90; PAD_STACK_NAME "TPSM70X135" at 10115.9,9774.9 h50 r180; PAD_STACK_NAME "14X30" at 10200,10086.1 h50 r180; DISPLAY_BOTTOM "DDMMMYY" at 10443.9,9926.7 h31 r90; DISPLAY_BOTTOM "ADI/JDB" at 10070.7,9920.5 h31 r90; DISPLAY_BOTTOM "02AUG13" at 10120.7,9920.5 h31 r90; DISPLAY_BOTTOM "QA/XXX" at 10420,9926 h31 r90; DISPLAY_BOTTOM "QA/XXX" at 10333.1,9920.5 h31 r90; DISPLAY_BOTTOM "DDMMMYY" at 10357.5,9921.2 h31 r90
TP224: PIN_NUMBER "1" at 10297.5,10070.5 h25 r90; ASSEMBLY_BOTTOM "TP-108" at 10288.8,10089.3 h25; ASSEMBLY_BOTTOM "UPN" at 10224.8,10030.8 h25; PAD_STACK_NAME "TPSM70X135" at 9961.9,10062.1 h50 r90; PAD_STACK_NAME "14X30" at 10373.1,10078 h50 r90; DISPLAY_BOTTOM "DDMMMYY" at 10226.9,9847.3 h31; DISPLAY_BOTTOM "ADI/JDB" at 10220.7,10220.5 h31; DISPLAY_BOTTOM "02AUG13" at 10220.7,10170.5 h31; DISPLAY_BOTTOM "QA/XXX" at 10238.6,9883.6 h31; DISPLAY_BOTTOM "QA/XXX" at 10233.1,9970.5 h31; DISPLAY_BOTTOM "DDMMMYY" at 10221.4,9933.7 h31
TP225: PIN_NUMBER "1" at 10250,10070.5 h25 r90; ASSEMBLY_BOTTOM "TP-108" at 10241.3,10089.3 h25; ASSEMBLY_BOTTOM "UPN" at 10177.3,10030.8 h25; PAD_STACK_NAME "TPSM70X135" at 9914.4,10062.1 h50 r90; PAD_STACK_NAME "14X30" at 10325.6,10078 h50 r90; DISPLAY_BOTTOM "DDMMMYY" at 10179.4,9847.3 h31; DISPLAY_BOTTOM "ADI/JDB" at 10173.2,10220.5 h31; DISPLAY_BOTTOM "02AUG13" at 10173.2,10170.5 h31; DISPLAY_BOTTOM "QA/XXX" at 10191.1,9883.6 h31; DISPLAY_BOTTOM "QA/XXX" at 10185.6,9970.5 h31; DISPLAY_BOTTOM "DDMMMYY" at 10173.9,9933.7 h31
TP226: PIN_NUMBER "1" at 10230,10195.5 h25 r180; ASSEMBLY_BOTTOM "TP-108" at 10161.2,10236.8 h25 r90; ASSEMBLY_BOTTOM "UPN" at 10249.7,10142.8 h25 r90; PAD_STACK_NAME "TPSM70X135" at 10048.4,10049.9 h50 r180; PAD_STACK_NAME "14X30" at 10132.5,10361.1 h50 r180; DISPLAY_BOTTOM "DDMMMYY" at 10376.4,10201.7 h31 r90; DISPLAY_BOTTOM "ADI/JDB" at 10003.2,10195.5 h31 r90; DISPLAY_BOTTOM "02AUG13" at 10053.2,10195.5 h31 r90; DISPLAY_BOTTOM "QA/XXX" at 10352.5,10201 h31 r90; DISPLAY_BOTTOM "QA/XXX" at 10265.6,10195.5 h31 r90; DISPLAY_BOTTOM "DDMMMYY" at 10290,10196.2 h31 r90
TP227: PIN_NUMBER "1" at 10232.5,10245.5 h25 r180; ASSEMBLY_BOTTOM "TP-108" at 10163.7,10286.8 h25 r90; ASSEMBLY_BOTTOM "UPN" at 10252.2,10192.8 h25 r90; PAD_STACK_NAME "TPSM70X135" at 10050.9,10099.9 h50 r180; PAD_STACK_NAME "14X30" at 10135,10411.1 h50 r180; DISPLAY_BOTTOM "DDMMMYY" at 10378.9,10251.7 h31 r90; DISPLAY_BOTTOM "ADI/JDB" at 10005.7,10245.5 h31 r90; DISPLAY_BOTTOM "02AUG13" at 10055.7,10245.5 h31 r90; DISPLAY_BOTTOM "QA/XXX" at 10355,10251 h31 r90; DISPLAY_BOTTOM "QA/XXX" at 10268.1,10245.5 h31 r90; DISPLAY_BOTTOM "DDMMMYY" at 10292.5,10246.2 h31 r90
TP228: PIN_NUMBER "1" at 10227.45,10645.5 h25; ASSEMBLY_BOTTOM "TP-108" at 10196.25,10604.2 h25 r270; ASSEMBLY_BOTTOM "UPN" at 10167.75,10698.2 h25 r270; PAD_STACK_NAME "TPSM70X135" at 10029.05,10791.1 h50; PAD_STACK_NAME "14X30" at 10144.95,10479.9 h50; DISPLAY_BOTTOM "DDMMMYY" at 9927.45,10639.3 h31 r270; DISPLAY_BOTTOM "ADI/JDB" at 10300.65,10645.5 h31 r270; DISPLAY_BOTTOM "02AUG13" at 10250.65,10645.5 h31 r270; DISPLAY_BOTTOM "QA/XXX" at 9976.15,10640 h31 r270; DISPLAY_BOTTOM "QA/XXX" at 10063.05,10645.5 h31 r270; DISPLAY_BOTTOM "DDMMMYY" at 10013.85,10644.8 h31 r270
TP229: PIN_NUMBER "1" at 10227.45,10695.5 h25; ASSEMBLY_BOTTOM "TP-108" at 10196.25,10654.2 h25 r270; ASSEMBLY_BOTTOM "UPN" at 10167.75,10748.2 h25 r270; PAD_STACK_NAME "TPSM70X135" at 10029.05,10841.1 h50; PAD_STACK_NAME "14X30" at 10144.95,10529.9 h50; DISPLAY_BOTTOM "DDMMMYY" at 9927.45,10689.3 h31 r270; DISPLAY_BOTTOM "ADI/JDB" at 10300.65,10695.5 h31 r270; DISPLAY_BOTTOM "02AUG13" at 10250.65,10695.5 h31 r270; DISPLAY_BOTTOM "QA/XXX" at 9976.15,10690 h31 r270; DISPLAY_BOTTOM "QA/XXX" at 10063.05,10695.5 h31 r270; DISPLAY_BOTTOM "DDMMMYY" at 10013.85,10694.8 h31 r270
TP230: PIN_NUMBER "1" at 10300,9870.5 h25 r90; ASSEMBLY_BOTTOM "TP-108" at 10291.3,9889.3 h25; ASSEMBLY_BOTTOM "UPN" at 10227.3,9830.8 h25; PAD_STACK_NAME "TPSM70X135" at 9964.4,9862.1 h50 r90; PAD_STACK_NAME "14X30" at 10375.6,9878 h50 r90; DISPLAY_BOTTOM "DDMMMYY" at 10229.4,9647.3 h31; DISPLAY_BOTTOM "ADI/JDB" at 10223.2,10020.5 h31; DISPLAY_BOTTOM "02AUG13" at 10223.2,9970.5 h31; DISPLAY_BOTTOM "QA/XXX" at 10241.1,9683.6 h31; DISPLAY_BOTTOM "QA/XXX" at 10235.6,9770.5 h31; DISPLAY_BOTTOM "DDMMMYY" at 10223.9,9733.7 h31
TP231: PIN_NUMBER "1" at 10350,9870.5 h25 r90; ASSEMBLY_BOTTOM "TP-108" at 10341.3,9889.3 h25; ASSEMBLY_BOTTOM "UPN" at 10277.3,9830.8 h25; PAD_STACK_NAME "TPSM70X135" at 10014.4,9862.1 h50 r90; PAD_STACK_NAME "14X30" at 10425.6,9878 h50 r90; DISPLAY_BOTTOM "DDMMMYY" at 10279.4,9647.3 h31; DISPLAY_BOTTOM "ADI/JDB" at 10273.2,10020.5 h31; DISPLAY_BOTTOM "02AUG13" at 10273.2,9970.5 h31; DISPLAY_BOTTOM "QA/XXX" at 10291.1,9683.6 h31; DISPLAY_BOTTOM "QA/XXX" at 10285.6,9770.5 h31; DISPLAY_BOTTOM "DDMMMYY" at 10273.9,9733.7 h31
TP232: PIN_NUMBER "1" at 10372.5,10045.5 h25 r90; ASSEMBLY_BOTTOM "TP-108" at 10363.8,10064.3 h25; ASSEMBLY_BOTTOM "UPN" at 10299.8,10005.8 h25; PAD_STACK_NAME "TPSM70X135" at 10036.9,10037.1 h50 r90; PAD_STACK_NAME "14X30" at 10448.1,10053 h50 r90; DISPLAY_BOTTOM "DDMMMYY" at 10301.9,9822.3 h31; DISPLAY_BOTTOM "ADI/JDB" at 10295.7,10195.5 h31; DISPLAY_BOTTOM "02AUG13" at 10295.7,10145.5 h31; DISPLAY_BOTTOM "QA/XXX" at 10313.6,9858.6 h31; DISPLAY_BOTTOM "QA/XXX" at 10308.1,9945.5 h31; DISPLAY_BOTTOM "DDMMMYY" at 10296.4,9908.7 h31
TP233: PIN_NUMBER "1" at 10370,10095.5 h25 r90; ASSEMBLY_BOTTOM "TP-108" at 10361.3,10114.3 h25; ASSEMBLY_BOTTOM "UPN" at 10297.3,10055.8 h25; PAD_STACK_NAME "TPSM70X135" at 10034.4,10087.1 h50 r90; PAD_STACK_NAME "14X30" at 10445.6,10103 h50 r90; DISPLAY_BOTTOM "DDMMMYY" at 10299.4,9872.3 h31; DISPLAY_BOTTOM "ADI/JDB" at 10293.2,10245.5 h31; DISPLAY_BOTTOM "02AUG13" at 10293.2,10195.5 h31; DISPLAY_BOTTOM "QA/XXX" at 10311.1,9908.6 h31; DISPLAY_BOTTOM "QA/XXX" at 10305.6,9995.5 h31; DISPLAY_BOTTOM "DDMMMYY" at 10293.9,9958.7 h31
TP234: PIN_NUMBER "1" at 10370,10245.5 h25 r90; ASSEMBLY_BOTTOM "TP-108" at 10361.3,10264.3 h25; ASSEMBLY_BOTTOM "UPN" at 10297.3,10205.8 h25; PAD_STACK_NAME "TPSM70X135" at 10034.4,10237.1 h50 r90; PAD_STACK_NAME "14X30" at 10445.6,10253 h50 r90; DISPLAY_BOTTOM "DDMMMYY" at 10299.4,10022.3 h31; DISPLAY_BOTTOM "ADI/JDB" at 10293.2,10395.5 h31; DISPLAY_BOTTOM "02AUG13" at 10293.2,10345.5 h31; DISPLAY_BOTTOM "QA/XXX" at 10311.1,10058.6 h31; DISPLAY_BOTTOM "QA/XXX" at 10305.6,10145.5 h31; DISPLAY_BOTTOM "DDMMMYY" at 10293.9,10108.7 h31
TP235: PIN_NUMBER "1" at 10370,10295.5 h25 r90; ASSEMBLY_BOTTOM "TP-108" at 10361.3,10314.3 h25; ASSEMBLY_BOTTOM "UPN" at 10297.3,10255.8 h25; PAD_STACK_NAME "TPSM70X135" at 10034.4,10287.1 h50 r90; PAD_STACK_NAME "14X30" at 10445.6,10303 h50 r90; DISPLAY_BOTTOM "DDMMMYY" at 10299.4,10072.3 h31; DISPLAY_BOTTOM "ADI/JDB" at 10293.2,10445.5 h31; DISPLAY_BOTTOM "02AUG13" at 10293.2,10395.5 h31; DISPLAY_BOTTOM "QA/XXX" at 10311.1,10108.6 h31; DISPLAY_BOTTOM "QA/XXX" at 10305.6,10195.5 h31; DISPLAY_BOTTOM "DDMMMYY" at 10293.9,10158.7 h31
TP236: PIN_NUMBER "1" at 10369.09,10645.5 h25; ASSEMBLY_BOTTOM "TP-108" at 10337.89,10604.2 h25 r270; ASSEMBLY_BOTTOM "UPN" at 10309.39,10698.2 h25 r270; PAD_STACK_NAME "TPSM70X135" at 10170.69,10791.1 h50; PAD_STACK_NAME "14X30" at 10286.59,10479.9 h50; DISPLAY_BOTTOM "DDMMMYY" at 10069.09,10639.3 h31 r270; DISPLAY_BOTTOM "ADI/JDB" at 10442.29,10645.5 h31 r270; DISPLAY_BOTTOM "02AUG13" at 10392.29,10645.5 h31 r270; DISPLAY_BOTTOM "QA/XXX" at 10117.79,10640 h31 r270; DISPLAY_BOTTOM "QA/XXX" at 10204.69,10645.5 h31 r270; DISPLAY_BOTTOM "DDMMMYY" at 10155.49,10644.8 h31 r270
TP237: PIN_NUMBER "1" at 10369.09,10696.32 h25; ASSEMBLY_BOTTOM "TP-108" at 10337.89,10655.02 h25 r270; ASSEMBLY_BOTTOM "UPN" at 10309.39,10749.02 h25 r270; PAD_STACK_NAME "TPSM70X135" at 10170.69,10841.92 h50; PAD_STACK_NAME "14X30" at 10286.59,10530.72 h50; DISPLAY_BOTTOM "DDMMMYY" at 10069.09,10690.12 h31 r270; DISPLAY_BOTTOM "ADI/JDB" at 10442.29,10696.32 h31 r270; DISPLAY_BOTTOM "02AUG13" at 10392.29,10696.32 h31 r270; DISPLAY_BOTTOM "QA/XXX" at 10117.79,10690.82 h31 r270; DISPLAY_BOTTOM "QA/XXX" at 10204.69,10696.32 h31 r270; DISPLAY_BOTTOM "DDMMMYY" at 10155.49,10695.62 h31 r270
TP238: PIN_NUMBER "1" at 9170,9350.5 h25; ASSEMBLY_BOTTOM "UPN" at 9050,9350.5 h25 r270; ASSEMBLY_BOTTOM "WP45" at 9165,9350.5 h25 r270; PAD_STACK_NAME "C75D45" at 9060,9250.5 h50; PAD_STACK_NAME "TPC75D45" at 9020,9450.5 h50; DISPLAY_BOTTOM "17DEC09" at 8853.2,9350.5 h31 r270; DISPLAY_BOTTOM "ADI/MAM" at 8903.2,9350.5 h31 r270; DISPLAY_BOTTOM "ADI/PMA" at 8993.2,9350.5 h31 r270; DISPLAY_BOTTOM "26APR99" at 9193.2,9350.5 h31 r270; DISPLAY_BOTTOM "CEXI/BTC" at 9230.8,9350.5 h31 r270; DISPLAY_BOTTOM "26APR99" at 8943.2,9350.5 h31 r270
TP239: PIN_NUMBER "1" at 9070,9350.5 h25; ASSEMBLY_BOTTOM "UPN" at 8950,9350.5 h25 r270; ASSEMBLY_BOTTOM "WP45" at 9065,9350.5 h25 r270; PAD_STACK_NAME "C75D45" at 8960,9250.5 h50; PAD_STACK_NAME "TPC75D45" at 8920,9450.5 h50; DISPLAY_BOTTOM "17DEC09" at 8753.2,9350.5 h31 r270; DISPLAY_BOTTOM "ADI/MAM" at 8803.2,9350.5 h31 r270; DISPLAY_BOTTOM "ADI/PMA" at 8893.2,9350.5 h31 r270; DISPLAY_BOTTOM "26APR99" at 9093.2,9350.5 h31 r270; DISPLAY_BOTTOM "CEXI/BTC" at 9130.8,9350.5 h31 r270; DISPLAY_BOTTOM "26APR99" at 8843.2,9350.5 h31 r270
TP240: PIN_NUMBER "1" at 8970,9350.5 h25; ASSEMBLY_BOTTOM "UPN" at 8850,9350.5 h25 r270; ASSEMBLY_BOTTOM "WP45" at 8965,9350.5 h25 r270; PAD_STACK_NAME "C75D45" at 8860,9250.5 h50; PAD_STACK_NAME "TPC75D45" at 8820,9450.5 h50; DISPLAY_BOTTOM "17DEC09" at 8653.2,9350.5 h31 r270; DISPLAY_BOTTOM "ADI/MAM" at 8703.2,9350.5 h31 r270; DISPLAY_BOTTOM "ADI/PMA" at 8793.2,9350.5 h31 r270; DISPLAY_BOTTOM "26APR99" at 8993.2,9350.5 h31 r270; DISPLAY_BOTTOM "CEXI/BTC" at 9030.8,9350.5 h31 r270; DISPLAY_BOTTOM "26APR99" at 8743.2,9350.5 h31 r270
TP241: PIN_NUMBER "1" at 9270,9350.5 h25; ASSEMBLY_BOTTOM "UPN" at 9150,9350.5 h25 r270; ASSEMBLY_BOTTOM "WP45" at 9265,9350.5 h25 r270; PAD_STACK_NAME "C75D45" at 9160,9250.5 h50; PAD_STACK_NAME "TPC75D45" at 9120,9450.5 h50; DISPLAY_BOTTOM "17DEC09" at 8953.2,9350.5 h31 r270; DISPLAY_BOTTOM "ADI/MAM" at 9003.2,9350.5 h31 r270; DISPLAY_BOTTOM "ADI/PMA" at 9093.2,9350.5 h31 r270; DISPLAY_BOTTOM "26APR99" at 9293.2,9350.5 h31 r270; DISPLAY_BOTTOM "CEXI/BTC" at 9330.8,9350.5 h31 r270; DISPLAY_BOTTOM "26APR99" at 9043.2,9350.5 h31 r270
TP243: PIN_NUMBER "1" at 9370,9350.5 h25; ASSEMBLY_BOTTOM "UPN" at 9250,9350.5 h25 r270; ASSEMBLY_BOTTOM "WP45" at 9365,9350.5 h25 r270; PAD_STACK_NAME "C75D45" at 9260,9250.5 h50; PAD_STACK_NAME "TPC75D45" at 9220,9450.5 h50; DISPLAY_BOTTOM "17DEC09" at 9053.2,9350.5 h31 r270; DISPLAY_BOTTOM "ADI/MAM" at 9103.2,9350.5 h31 r270; DISPLAY_BOTTOM "ADI/PMA" at 9193.2,9350.5 h31 r270; DISPLAY_BOTTOM "26APR99" at 9393.2,9350.5 h31 r270; DISPLAY_BOTTOM "CEXI/BTC" at 9430.8,9350.5 h31 r270; DISPLAY_BOTTOM "26APR99" at 9143.2,9350.5 h31 r270
TP244: PIN_NUMBER "1" at 9470,9350.5 h25; ASSEMBLY_BOTTOM "UPN" at 9350,9350.5 h25 r270; ASSEMBLY_BOTTOM "WP45" at 9465,9350.5 h25 r270; PAD_STACK_NAME "C75D45" at 9360,9250.5 h50; PAD_STACK_NAME "TPC75D45" at 9320,9450.5 h50; DISPLAY_BOTTOM "17DEC09" at 9153.2,9350.5 h31 r270; DISPLAY_BOTTOM "ADI/MAM" at 9203.2,9350.5 h31 r270; DISPLAY_BOTTOM "ADI/PMA" at 9293.2,9350.5 h31 r270; DISPLAY_BOTTOM "26APR99" at 9493.2,9350.5 h31 r270; DISPLAY_BOTTOM "CEXI/BTC" at 9530.8,9350.5 h31 r270; DISPLAY_BOTTOM "26APR99" at 9243.2,9350.5 h31 r270
TP245: PIN_NUMBER "1" at 7365,10533 h25; ASSEMBLY_BOTTOM "UPN" at 7245,10533 h25 r270; ASSEMBLY_BOTTOM "WP45" at 7360,10533 h25 r270; PAD_STACK_NAME "C75D45" at 7255,10433 h50; PAD_STACK_NAME "TPC75D45" at 7215,10633 h50; DISPLAY_BOTTOM "17DEC09" at 7048.2,10533 h31 r270; DISPLAY_BOTTOM "ADI/MAM" at 7098.2,10533 h31 r270; DISPLAY_BOTTOM "ADI/PMA" at 7188.2,10533 h31 r270; DISPLAY_BOTTOM "26APR99" at 7388.2,10533 h31 r270; DISPLAY_BOTTOM "CEXI/BTC" at 7425.8,10533 h31 r270; DISPLAY_BOTTOM "26APR99" at 7138.2,10533 h31 r270
TP246: PIN_NUMBER "1" at 7365,10340.5 h25; ASSEMBLY_BOTTOM "UPN" at 7245,10340.5 h25 r270; ASSEMBLY_BOTTOM "WP45" at 7360,10340.5 h25 r270; PAD_STACK_NAME "C75D45" at 7255,10240.5 h50; PAD_STACK_NAME "TPC75D45" at 7215,10440.5 h50; DISPLAY_BOTTOM "17DEC09" at 7048.2,10340.5 h31 r270; DISPLAY_BOTTOM "ADI/MAM" at 7098.2,10340.5 h31 r270; DISPLAY_BOTTOM "ADI/PMA" at 7188.2,10340.5 h31 r270; DISPLAY_BOTTOM "26APR99" at 7388.2,10340.5 h31 r270; DISPLAY_BOTTOM "CEXI/BTC" at 7425.8,10340.5 h31 r270; DISPLAY_BOTTOM "26APR99" at 7138.2,10340.5 h31 r270
TP247: PIN_NUMBER "1" at 7365,10438 h25; ASSEMBLY_BOTTOM "UPN" at 7245,10438 h25 r270; ASSEMBLY_BOTTOM "WP45" at 7360,10438 h25 r270; PAD_STACK_NAME "C75D45" at 7255,10338 h50; PAD_STACK_NAME "TPC75D45" at 7215,10538 h50; DISPLAY_BOTTOM "17DEC09" at 7048.2,10438 h31 r270; DISPLAY_BOTTOM "ADI/MAM" at 7098.2,10438 h31 r270; DISPLAY_BOTTOM "ADI/PMA" at 7188.2,10438 h31 r270; DISPLAY_BOTTOM "26APR99" at 7388.2,10438 h31 r270; DISPLAY_BOTTOM "CEXI/BTC" at 7425.8,10438 h31 r270; DISPLAY_BOTTOM "26APR99" at 7138.2,10438 h31 r270